# KiCad board SNES_LoROM_Flash_1-2.kicad_pcb (continued)
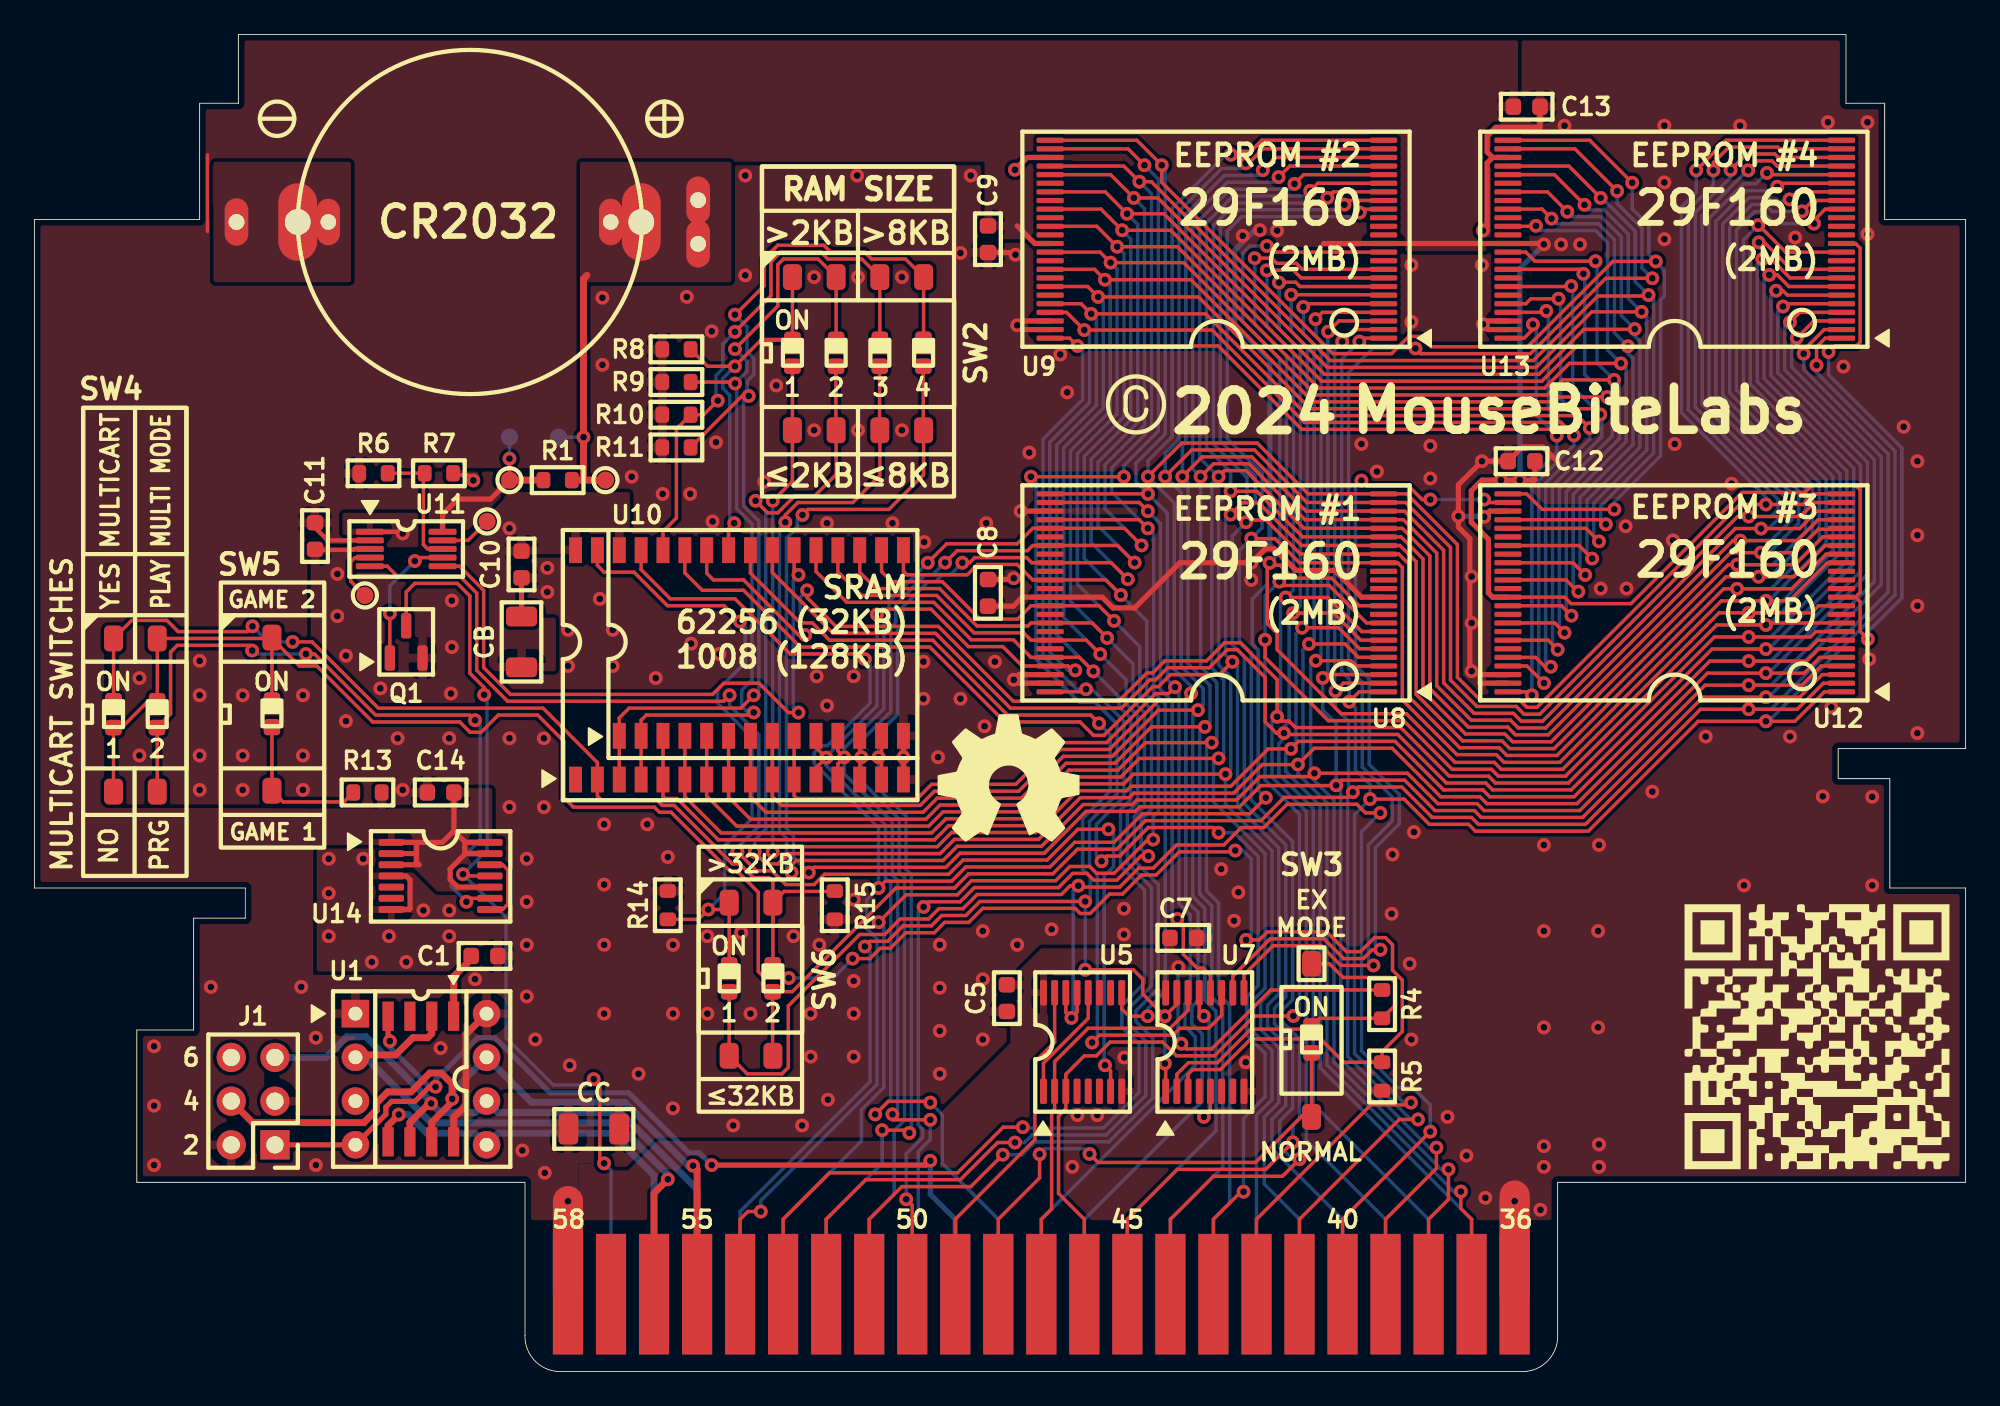
[diagram p0: board, top side]
## Routing (per net, layer and track width the routed paths; a pad name or vN(x,y) marks a point on that pad's centre or on a via; arc(x,y) is an arc through that point) (continued)
/RAM/A_{15SW}: length 37.5
  Top w0.2: U10.31 32.71,46.84 33.1,46.45 34.85,46.45 34.85,46.43 36.78,44.5 40.08,44.5 v1(40.99,43.59) ; SW6.4 SW6.4 39.97,26.85 v1(39.15,26.85) 38.57,26.27 R14.2
  Bottom w0.2: v1(39.15,26.85) 40.1,27.8 40.1,30.55 41.69,32.14 41.69,36.84 39.69,38.84 39.69,39.59 41.29,41.19 41.29,43.29 v1(40.99,43.59)
/RAM/RAM.~{CE}_{G}: length 37.2
  Top w0.2: U10.22 44.14,46.55 v1(44.39,46.29) ; U11.6 24.7,46.8 26.1,45.4 26.1,40.91 27.66,39.35 39.4,39.35 40.05,40 42.1,40 43.81,38.29 v1(44.39,38.29)
  Bottom w0.2: v1(44.39,38.29) 44.09,38.59 44.09,45.99 v1(44.39,46.29)
/ROM.BA_{7}: length 22
  Top w0.2: U7.2 66.38,17.27 67.05,17.95 68.73,17.95 70.68,19.9 74.03,19.9 SW3.2 74.65,20.52 R4.2 79.07,21.3 79.07,22.59 78.76,22.9 76.03,22.9 75.23,23.7 SW3.2
/ROM.~{OE}: length 134.6
  Top w0.2: v1(64.68,20.65) 63.6,20.65 63.17,21.08 U5.9 ; U12.28 91.03,49.5 v1(91.3,49.23) ; v1(64.69,49) 64.19,49.5 59.01,49.5 ; v1(91,68.2) 89.15,70.05 U13.28 ; v1(93.78,62.55) 93.72,62.5 90.83,62.5 87.08,58.75 75.28,58.75 74.9,59.13 64.9,69.13 64.9,69.14 v1(64.2,69.14) 63.29,70.05 U9.28
  Bottom w0.2: v1(91,68.2) 91.07,68.2 93,66.27 93,63.33 v1(93.78,62.55) 94.08,62.25 94.08,53.38 91,50.3 91,49.53 v1(91.3,49.23) ; v1(64.2,69.14) 64.9,68.44 64.9,54.82 62.6,52.52 62.6,51.09 v1(64.69,49) 65.02,48.66 65.02,39.46 65.7,38.79 65.7,22.09 64.68,21.07 v1(64.68,20.65)
/ROM/~{CE1}: length 35.6
  Top w0.2: 59.01,50.5 64.19,50.5 v1(64.69,50) ; U7.12 68.32,23.02 67.9,23.45 67.55,23.45 66.75,24.25 66.75,25.95 v1(66.4,26.3)
  Bottom w0.2: v1(64.69,50) 65.42,49.27 65.42,39.63 66.1,38.95 66.1,26.6 v1(66.4,26.3)
/ROM/~{CE2}: length 76.5
  Top w0.2: U9.26 63.54,71.05 v1(64.49,70.1) ; v1(57.9,52) v1(63.3,52) ; U7.11 68.97,20.7 68.22,19.95 66.55,19.95 66.15,19.55 61.88,19.55 v1(61.45,19.12)
  Bottom w0.2: v1(61.45,19.12) 61.75,19.42 61.75,28.9 61.3,29.35 61.3,31.97 62.9,33.57 62.9,37.63 61.63,38.9 60.7,38.9 58.2,41.4 58.2,51.7 v1(57.9,52) ; v1(63.3,52) 63.3,52.65 65.3,54.66 65.3,69.29 v1(64.49,70.1)
/ROM/~{CE3}: length 49.3
  Top w0.2: v1(81.1,50.67) 80.63,50.67 79.85,51.45 77.42,51.45 v1(77.1,51.77) ; v1(78.21,24.51) 77.72,24.51 77.21,24 76.07,24 74.92,25.15 71.8,25.15 69.62,22.97 U7.10 ; v1(84.23,50.67) 84.4,50.5 U12.26
  Bottom w0.2: v1(77.1,51.77) 76.75,51.42 76.75,41.05 77.55,40.25 77.55,35.29 79.3,33.54 79.3,31.83 77.9,30.43 77.9,24.82 v1(78.21,24.51) ; v1(81.1,50.67) v1(84.23,50.67)
/ROM/~{CE4}: length 79.5
  Top w0.2: U7.9 70.28,23.06 71.97,24.75 74.75,24.75 75.9,23.6 v1(77.8,23.6) ; v1(91.95,68.6) 89.5,71.05 U13.26 ; v1(80.24,59.45) 80.54,59.15 86.92,59.15 91.29,63.53 v1(94,63.53) ; 86.1,71 86,71.1
  Bottom w0.2: v1(80.24,59.45) 77.75,59.45 76.35,58.05 76.35,40.85 77.15,40.05 77.15,35.12 78.9,33.38 78.9,32 77.5,30.6 77.5,23.9 v1(77.8,23.6) ; v1(94,63.53) 93.4,64.13 93.4,66.43 91.95,67.88 v1(91.95,68.6)
/~{IRQ}: length 58.3
  Top w0.3: J1.1 18.64,13.17 U1B1.4 20.42,14.95 20.42,15.37 20.75,15.7 22.11,15.7 22.96,16.55 v1(23.3,16.55) ; v1(20.65,19.2) 20.54,19.31 U1A1.4 ; v1(39.35,12) 51.8,12 v1(52.05,12.25)
  Bottom w0.3: v1(20.65,19.2) 20.65,18.85 23.13,16.37 v1(23.3,16.55) 23.3,16.95 25.76,19.41 26.75,19.41 29.96,16.2 34.53,16.2 38.01,12.72 38.63,12.72 v1(39.35,12) ; P1.18 53.5,8.85 52.05,10.3 v1(52.05,12.25)
/~{RD}: length 90.4
  Top w0.2: v1(61.85,37.67) 61.37,38.15 56.54,38.15 52.19,42.5 46.2,42.5 45.2,43.5 44.5,43.5 41.6,46.4 U10.24 ; v1(65.68,17.9) 65.72,17.86 U7.1 ; v1(61.05,27.32) 54.94,27.32 54.12,26.5 52.72,26.5 52.12,25.9 50.47,25.9 49.57,25 48.55,25 v1(48.25,24.7) ; U7.15 66.38,21.34 v1(65.68,20.65) 64.4,21.93 64.4,22.8 63.85,23.35 v1(61.05,23.35)
  Bottom w0.2: v1(48.25,24.7) 48.55,24.4 48.55,16.85 41,9.3 P1.23 ; v1(65.68,17.9) v1(65.68,20.65) ; v1(61.85,37.67) 62.5,37.02 62.5,33.73 60.9,32.13 60.9,29.18 61.35,28.73 61.35,27.62 v1(61.05,27.32) v1(61.05,23.35)
/~{RESET}: length 54.8
  Top w0.2: U14.11 25,28.8 v1(24.9,28.9) ; v1(26.13,39.33) 26.13,39.75 25.3,40.58 25.3,45.07 24.57,45.8 22.1,45.8 21.6,45.3 Q1.3 ; v1(33.1,12.1) 32.85,12.35 32.85,16.64 v1(32.49,16.99)
  Bottom w0.2: v1(33.1,12.1) 33.5,11.7 P1.26 ; v1(26.13,39.33) 26.3,39.15 26.3,30.3 v1(24.9,28.9) 27.4,26.4 27.4,19.39 30.14,16.65 32.15,16.65 v1(32.49,16.99)
/~{ROMSEL}: length 19.9
  Top w0.2: P1.49 53.5,8.85 58.12,13.47 58.12,17.99 59.28,19.14 U5.15
/~{WR}: length 213.6
  Top w0.2: v1(42.2,9.3) 41.45,9.3 41,8.85 P1.54 ; U9.11 72.1,65.05 71.74,65.41 v1(71.61,65.41) 71.4,65.61 ; v1(100.15,66.62) 100.18,66.62 101.75,65.05 U13.11 ; 78.39,44.5 76.96,44.5 75.36,46.1 73.12,46.1 72.37,46.85 71.9,46.85 v1(71.76,46.99) 71.63,46.85 71.63,43.47 72.2,42.9 72.2,41.95 75.92,38.23 79.71,38.23 82.53,35.4 84.82,35.4 85.22,35 88.79,35 97.88,44.09 103.25,44.09 103.66,44.5 U12.11 ; v1(49.04,28.1) 49.44,28.5 53.29,28.5 54.11,29.32 59,29.32 60.44,30.76 62.72,30.76 64.38,32.41 70.61,32.41 v1(71.54,33.35) ; v1(48.25,41.4) 47.95,41.7 43.91,41.7 40.71,44.9 36.95,44.9 35.25,46.6 U10.29
  Bottom w0.2: v1(71.61,65.41) 70.62,65.41 70.2,64.99 70.2,61.01 72.35,58.86 72.35,47.57 v1(71.76,46.99) 71.63,46.85 71.63,45.77 70.75,44.89 70.75,42.28 71.1,41.93 71.1,33.79 v1(71.54,33.35) ; v1(100.15,66.62) 99.29,65.76 99.29,57.21 104.5,52 104.5,47.7 101.3,44.5 101.3,44.5 100.89,44.09 v1(99.6,44.09) ; v1(42.2,9.3) 42.2,9.93 48.95,16.68 48.95,25.15 48.35,25.75 48.35,27.41 v1(49.04,28.1) 49.04,31.61 45.3,35.35 45.3,35.96 45.72,36.37 46.07,36.37 48.55,38.85 48.55,41.1 v1(48.25,41.4)
Net-(BT1-+): length 17.7
  Top w0.4: 32.1,63.7 31.9,63.5 v1(31.9,54.3) 31.9,51.8 ; 31.9,51.8 TP1.1 ; 31.9,51.8 R1.1
  Bottom w0.2: BT1.1 BT1.1 ; v1(31.9,54.3) 30.65,54.3
Net-(Q1-G): length 7.9
  Top w0.2: v1(20.65,44.05) Q1.1 ; U11.7 22.3,47.3 v1(22.1,47.1)
  Bottom w0.2: v1(22.1,47.1) 20.65,45.65 v1(20.65,44.05)
Net-(U5A-E): length 6.8
  Top w0.2: U5.1 58.62,17.92 61.22,20.52 U5.12
Net-(U7A-O1): length 9.2
  Top w0.2: U7.13 67.67,20.93 v1(67.95,20.66) ; v1(67.95,14.8) 68.32,15.18 U7.5
  Bottom w0.2: v1(67.95,20.66) 68.25,20.36 68.25,15.1 v1(67.95,14.8)
Net-(U11-SENSE): length 7.5
  Top w0.2: U11.8 22.85,47.8 22.6,48.05 22.6,52.12 R7.1 R6.2
Net-(U11-~{MR}): length 3.5
  Top w0.2: U11.4 18.62,47.3 18.38,47.05 18.38,45.92 TP5.1
Net-(U11-~{RESET}): length 3
  Top w0.2: TP6.1 25.2,48.3 U11.9
Net-(U14B-D): length 4.3
  Top w0.2: U14.12 27.2,29.45 27.5,29.15 27.5,27.15 27.2,26.85 U14.8

## Copper pours and planes (outline as drawn; the poured copper is in the pictures)
+5V on Top: 32.5,8.8 32.5,16.2 27.2,16.2 24.25,13.25 13.35,13.25 13.35,17.65 14.25,18.55 18.65,18.55 24.6,20.3 24.6,23.05 16.2,23.05 16.2,32.72 10.15,32.75 4.55,32.75 4.05,33.25 4.05,43.15 5.1,43.15 5.65,43.65 7.7,43.65 8.65,42.7 15.85,42.7 15.85,48.1 19.5,48.1 19.5,48.6 17.9,48.6 17.9,49.9 22.6,49.9 22.6,52.5 31.7,52.5 31.7,70.3 55.2,70.3 55.2,65.8 57.7,65.8 57.7,65 59.3,65 59.3,71.5 64.1,71.5 65.5,70.1 65.5,69.1 70.4,64.2 72.1,65.1 86.6,65.1 87.2,64.5 91.1,64.5 91.1,69 86.2,69.1 86.2,77.8 11.9,77.9 -0.4,66.95 -0.4,28.1 5.9,11 28.5,8.8
+5V on Top: 52.8,45.9 55,43.7 57.1,43.7 57.9,44.5 61.8,44.5 62.7,43.6 60.3,38.9 60.3,38.4 62.2,38.4 65.8,41.2 69.7,41.2 69.65,41.95 71.6,41.1 71.6,46.4 72,46.8 72.4,46.8 73.1,46.1 75.4,46.1 77,44.5 79.5,44.5 79.5,51 72.8,51 69.5,52.8 65.4,52.8 64.7,52 64.7,49.1 63.9,47 54.8,47 54.1,46.4 52.8,46.4
+5V on Top: 32.3,12.1 32.9,11.7 34.5,11.7 36.2,13.4 50.6,13.4 51,13.8 51,14.6 52.2,14.6 56.7,19.1 56.7,22.8 58.5,24.6 65.1,24.6 65.8,25.3 66.5,25.3 66.5,24.1 67.2,23.4 67.7,23.4 68.1,23 68.1,22.6 65.9,22.6 65.9,20.7 64.2,22 64.2,22.8 63.6,23.4 60.9,23.4 60.9,23 58.9,23 58.9,19 57.9,18 57.9,14.2 56.1,14.2 53.4,11.5 38.3,11.5 37.7,12 36.7,11 36.4,11 35.8,10.4 35.8,8.8 31.6,8.8 31.6,12.1
+5V on Top: 26.6,33.9 26.6,30.8 25.8,30.8 25.8,29.6 26.95,29.6 26.95,29.35 27.2,29.35 27.2,27.9 23.4,27.9 22,29.3 22,30.6 16.05,30.6 16.05,32.72 19.9,32.72 19.9,33.3 20.5,33.3 20.5,32.72 24.1,32.72 24.1,33.9
+5V on Bottom: 73.7,67.1 72,65.4 70.9,65.4 70.9,62.6 72.6,60.9 72.6,43.9 70,43.9 70,47.7 71.3,49 71.3,52.2 69.3,54.2 69.3,66.2 70.2,67.1
+5V on Bottom: 18.9,23.05 18.9,18.55 12.95,18.55 12.95,13.1 25.6,13.1 25.6,13.85 32.5,13.85 32.5,8.8 28.5,8.8 5.9,11 5.9,19.9 9.3,23.05
+5V on Bottom: 84.5,51.1 87,51.1 87,51.9 88.5,53.4 88.5,54.4 87.2,55.7 87.2,60.8 91.4,64.7 91.4,65.7 90.8,66.3 87.2,66.3 85.6,64.7 85.6,54 84.5,52.9
GND on Top: 10.4,70.3 10.4,63.3 18.4,63.3 18.4,70.3
GND on Top: 11.9,77.9 105.3,77.8 116.2,66.95 116.3,36.2 112.2,11 88.5,8.8 28.5,8.8 5.9,11 -0.4,28.1 -0.4,66.95
GND on Bottom: 11.6,77.8 105.3,77.7 116.2,66.95 116.2,36.2 112.2,11 88.5,8.8 28.5,8.8 5.9,11 -0.4,28.1 -0.4,66.95
+BATT on Top: 28.07,52.3 22.6,52.3 22.6,48.5 24.8,48.5 27.6,51.3 28.07,51.3
+VSW on Top: 17.9,49.9 22.5,49.9 22.5,47.9 17.9,47.9
+VSW on Top: 30.3,43.8 30.3,40.7 25.7,40.7 25.7,45.7 24.6,46.8 24.6,48.8 25.7,49.8 27,51.1 34.6,51.1 34.6,47.5 28.3,47.5 28.3,43.8
+VSW on Bottom: 29,49.5 29,47.9 20.2,47.9 20.2,49.5
Net-(BT1-+) on Top: 31.7,70.3 31.7,63.3 40.5,63.3 40.5,70.3

## Text on the board
B.Mask: - | + | SUPPORT ALL ORIGINAL CREATORS!!
B.Silkscreen: 27 | 5 | 25 | 20 | 15 | 10
F.Mask: THIS SIDE FACES BACK OF SNES | SNES-8XL8D-01A | LOROM | v1.2 | SNES ADVANCED FLASH CARTRIDGE
F.Silkscreen: PLAY | MULTI MODE | GAME 2 | GAME 1 | U1 | 58 | 36 | 6 | 4 | 2 | >32KB | ≤32KB | NORMAL | EX / MODE | 55 | 50 | 45 | 40 | NO | MULTICART | YES | PRG | MULTICART SWITCHES | >2KB | ≤2KB | >8KB | ≤8KB | SRAM / 62256 (32KB) / 1008 (128KB) | EEPROM #2 / (2MB) | EEPROM #1 / (2MB) | EEPROM #4 / (2MB) | EEPROM #3 / (2MB) | RAM SIZE | CR2032 | 29F160 | MouseBiteLabs | 2024
